# Altium PCB PCB.PcbDoc
Units mil, origin at the board's own origin, x right, y up, seen from the top; angles counter-clockwise.
Board outline 3115 x 3005 mil, 2 copper layers (Top Layer, Bottom Layer); 22 components, 19 nets, 87 pads, 0 vias.
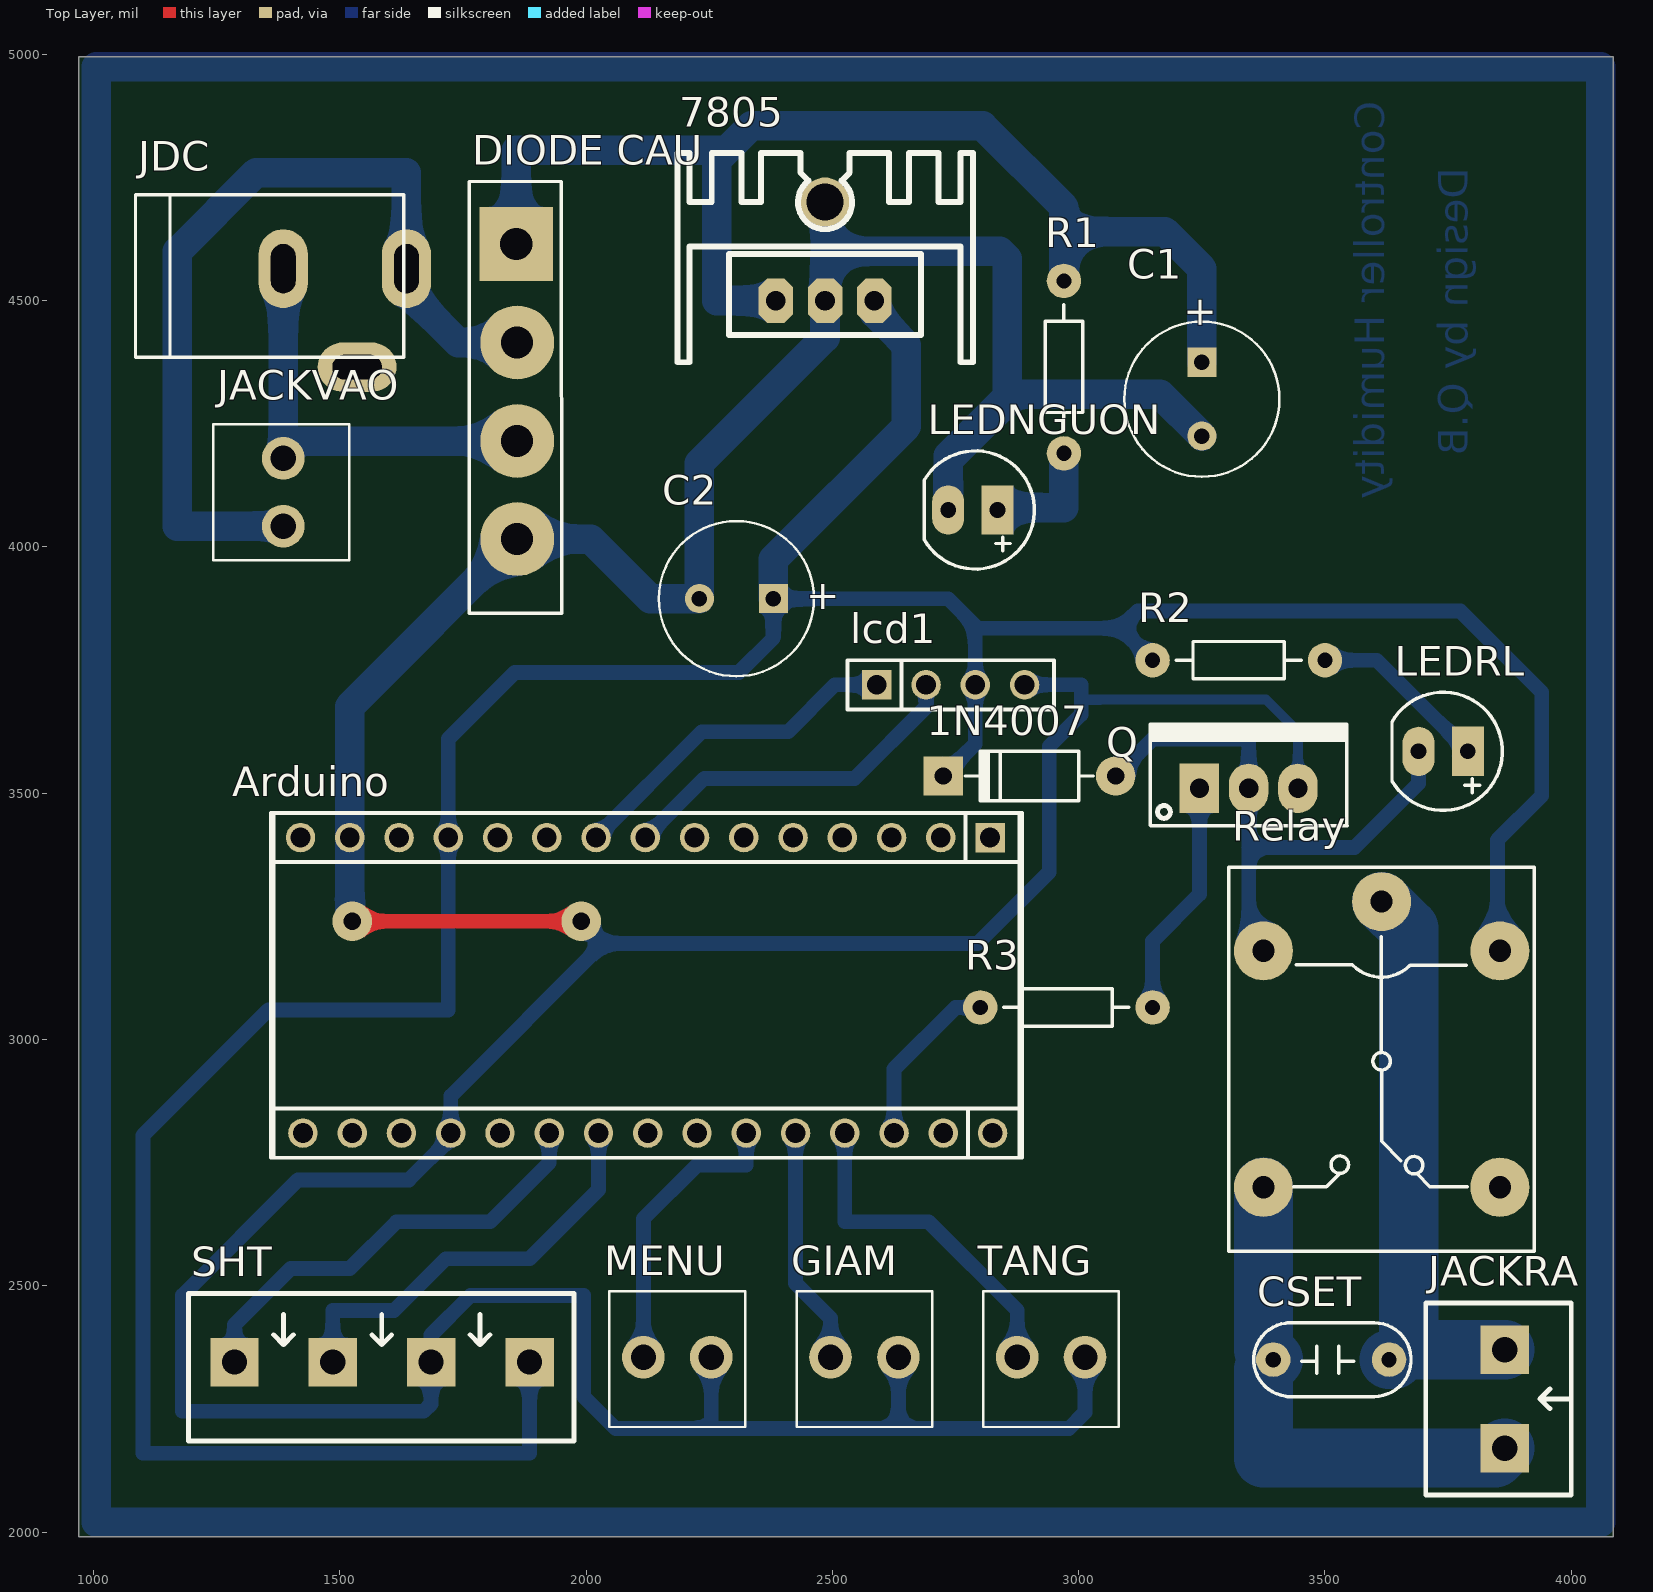
[diagram p0: Top Layer view]
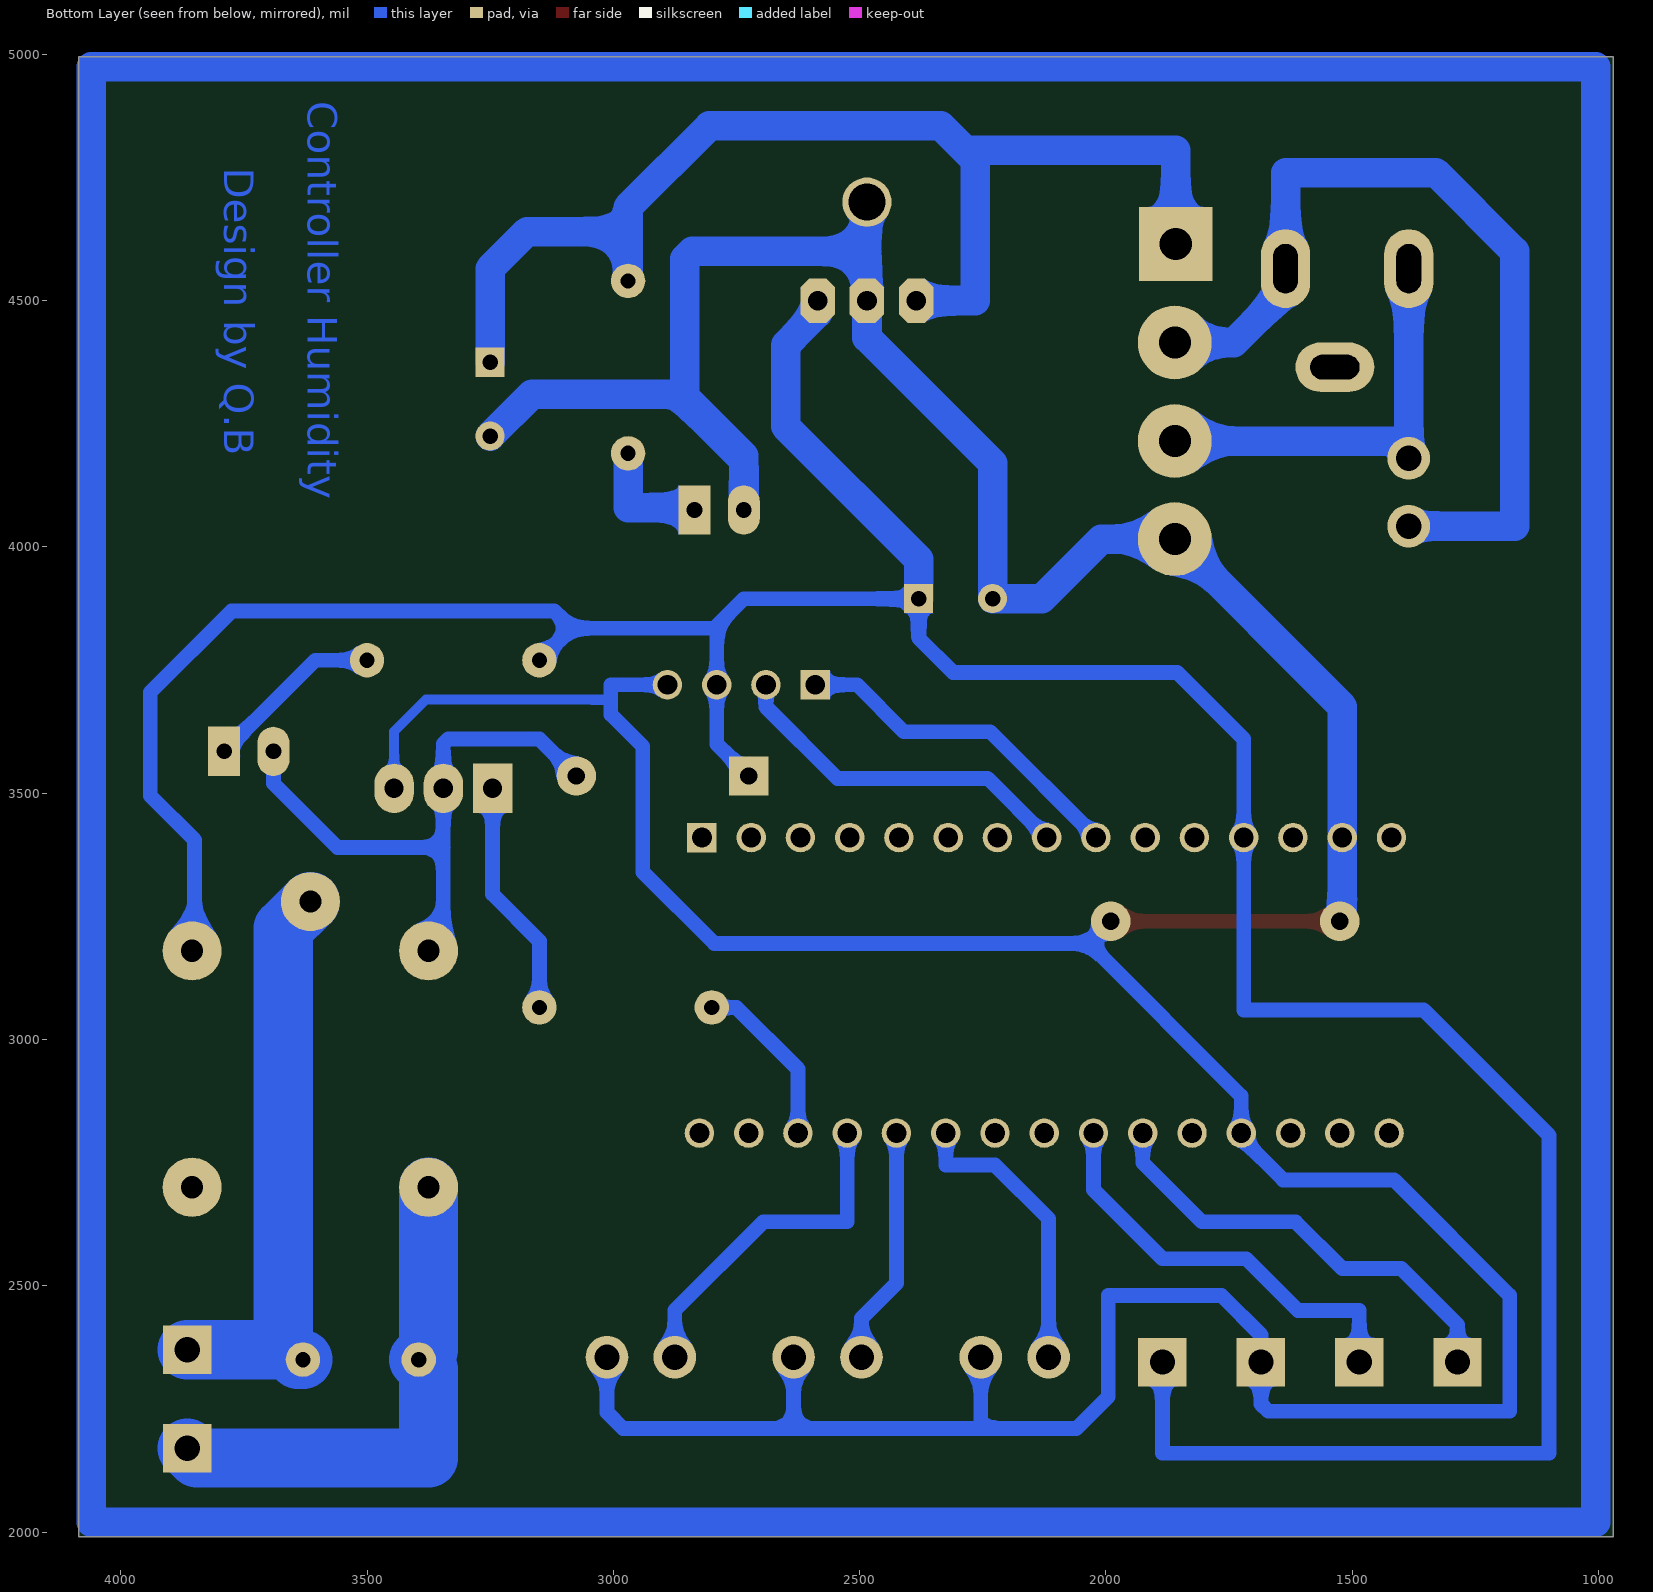
[diagram p1: Bottom Layer view, seen from below]

## Layer stack, top to bottom
Top Solder: solder mask 0.4, Solder Resist, Dk 3.5
Top Layer: signal copper 1.4
Dielectric 1: dielectric 12.6, FR-4, Dk 4.8
Bottom Layer: signal copper 1.4
Bottom Solder: solder mask 0.4, Solder Resist, Dk 3.5

## Board outline
970,4995 4085,4995 4085,1990 970,1990

## Design rules (kind name [scope] priority, off if disabled: settings)
Clearance [All] p1: gap=10 ignorepadtopadclearanceinfootprint=FALSE
PolygonConnect [All] p1: connectstyle=Relief reliefconductorwidth=10 reliefentries=4 polygonreliefangle="90 Angle" airgapwidth=10
RoutingVias [All] p1: holewidth=28 width=50 viastyle="Through Hole" minholewidth=28 minwidth=50 maxholewidth=28 maxwidth=50
SolderMaskExpansion [All] p1: expansion=4
Width [All] p1: maxlimit=120 minlimit=20 preferedwidth=30
30 further rules are at their usual default settings.

## Components (designator, comment, footprint, x,y, rotation, side; value= is the part's Value field where it differs from the comment)
1N4007 "1N4007" D1A 3075,3535 r0 top
7805 "LM7805" QTO-220H3 2385,4500 r0 top
Arduino "Arduino Nano" "Arduino Nano" 2115,3140 r90 top value="Cau 1A"
C1 "2200UF 16V" CA-ALU-8 3250,4300 r270 top value=104
C2 "2200UF 16V" CA-ALU-8 2305,3895 r180 top value=104
CSET "2KV" CN2.5 3505,2350 r0 top value=33pF
"DIODE CAU" "Diode Brideg" "DIO-Bri 5A" 1860,4615 r270 top value="Cau 1A"
GIAM "KF2" KF2-3.5 2565,2355 r0 top
JACKRA "KF2" KF2-5.08 3865,2270 r270 top
JACKVAO "KF2" KF2-3.5 1385,4111.1 r270 top
JDC "Jac DC" DC0 1510,4465 r0 top
lcd1 "JP4" JP4-C1T 2590,3720 r0 top
LEDNGUON "LED" LED-5-BLUE 2790,4075 r180 top value="LED 3 ly Single Colour"
LEDRL "LED" LED-5-RED 3790,3585 r180 top value="LED 3 ly Single Colour"
MENU "KF2" KF2-3.5 2185,2355 r0 top
Q "H1061" QTO-220 3245,3510 r0 top value=TIP41
R1 "1k2" R1/4W 2970,4190 r90 top value="R1/4W - 1K"
R2 "1K" R1/4W 3500,3770 r180 top value="R1/4W - 1K"
R3 "1k" R1/4W 2800,3065 r0 top value="R1/4W - 1K"
Relay "5V" "RELAY 5" 3615,2955 r270 top value="Relay SPDT, 10A, 12V"
SHT "KF4" KF4-5.08 1885,2345 r180 top
TANG "KF2" KF2-3.5 2943.9,2355 r0 top

## Footprints (in the part's own frame and the unit in brackets; to place one, negate y for a bottom-side part, rotate by r counter-clockwise, add the part's x,y. Pads: shape width x height; smd on the part's side, far side on the other; paste and mask are expansions set on the pad)
"Arduino Nano" [mm]
  round 1.52 hole 1.02: 3V3(6.858,-15.367) 5V(6.858,10.033) A0(6.858,-10.287) A1(6.858,-7.747) A2(6.858,-5.207) A3(6.858,-2.667) A4(6.858,-0.127) A5(6.858,2.413) A6(6.858,4.953) A7(6.858,7.493) D2(-8.382,7.366) D3(-8.382,4.826) D4(-8.382,2.286) D5(-8.382,-0.254) D6(-8.382,-2.794) D7(-8.382,-5.334) D8(-8.382,-7.874) D9(-8.382,-10.414) D10(-8.382,-12.954) D11(-8.382,-15.494) D12(-8.382,-18.034) GND(-8.382,9.906) GND(6.858,15.113) REF(6.858,-12.827) RST(-8.382,12.446) RST(6.858,12.573) RX0(-8.382,14.986) TX1(-8.382,17.526) VIN(6.858,17.653)
  rect 1.52x1.52 hole 1.02: D13(6.858,-17.907)
  silkscreen extent -9.65,-19.55 8.13,19.18, body extent -9.65,-23.48 8.14,21.44, height 21.18
CA-ALU-8 [mm] "Polarized capacitors, Aluminum Electrolytic Capacitors, 2-Leads, Body 8x16x3.5x0.5"
  rect 1.5x1.5 hole 0.8: 1(-1.905,0)
  round 1.5 hole 0.8: 2(1.905,0)
  silkscreen extent -4,-4 4,4, body extent -4.1,-4.1 4.1,4.1, height 14.4
CN2.5 [mil] "Tu pin to pin 250mil"
  round 70 hole 31: 1(-110,0) 2(125,0)
  silkscreen extent -150,-75 170,75, body extent -152,-80 162,77, height 539
D1A [mil] "Diode 1A, W 100mil, L 350mil"
  round 80 hole 35: 1(0,0)
  rect 80x80 hole 35: 2(-350,0)
  silkscreen extent -305,-50 -45,50, body extent -386,-33 34,36, height 84
DC0 [mil] "Jac DC input"
  oval 100x160 hole 50 slot 100 at 90 deg: 1(125,100) 2(-125,100)
  oval 160x100 hole 50 slot 100 at 0 deg: 3(25,-100)
  silkscreen extent -425,-80 120,250, body extent -410,-105 134,269, height 434
"DIO-Bri 5A" [mil] "Brigde 5A"
  rect 150x150 hole 65: 1(0,-2)
  round 150 hole 65: 2(200,0) 3(400,0) 4(599,0)
  silkscreen extent -127,-97 750,90, body extent -129,-90 749,58, height 937
JP4-C1T [mm] "4 row, straight, gold plating"
  rect 1.52x1.52 hole 1.02: 1(0,0)
  round 1.52 hole 1.02: 2(2.54,0) 3(5.08,0) 4(7.62,0)
  silkscreen extent -1.52,-1.27 9.14,1.27, body extent -1.52,-1.25 9.14,1.25, height 8.51
KF2-3.5 [mm] "3,50mm - modular - blue - Horizontal wire entry - Pressure clamp - 8,4mm height - 02p"
  round 2.2 hole 1.3: 1(-1.75,0) 2(1.75,0)
  silkscreen extent -3.5,-3.6 3.5,3.4, body extent -3.95,-3.6 4.05,3.4, height 8.41
KF2-5.08 [mm]
  rect 2.5x2.5 hole 1.3: 1(-2.54,0) 2(2.54,0)
  silkscreen extent -4.95,-4.08 4.95,3.43, body extent -5,-4.07 5,3.43, height 10
KF4-5.08 [mm]
  rect 2.5x2.5 hole 1.3: 1(0,0) 2(5.08,0) 3(10.147,0) 4(15.215,0)
  silkscreen extent -2.29,-3.53 17.58,4.06, body extent -2.36,-3.43 17.64,4.07, height 10
LED-5-BLUE [mil] "LED 2 PIN, 5 ly , Only colour, pin to pin 110mil"
  rect 65x100 hole 32: 1(-45,0)
  oval 65x100 hole 32: 2(55,0)
  silkscreen extent -120,-120 104,120, body extent -113,-120 100,117, height 339
LED-5-RED [mil] "LED 2 PIN, 5 ly , Only colour,pin to pin 100mil"
  rect 65x100 hole 32: 1(0,0)
  oval 65x100 hole 32: 2(100,0)
  silkscreen extent -70,-120 154,120, body extent -65,-119 149,118, height 339
QTO-220 [mil] "TO-220 - 1-2-3"
  rect 80x100 hole 39: 1(0,0)
  oval 80x100 hole 39: 2(100,0) 3(200,0)
  silkscreen extent -100,-76 300,130, body extent -119,-64 322,121, height 755
QTO-220H3 [mil] "TO-220 1-2-3"
  oct 70x90 hole 40: 1(0,0) 2(100,0) 3(200,0)
  round 100 hole 75: 2(100,200)
  silkscreen extent -200,-125 400,300, body extent -190,-102 392,323, height 984
R1/4W [mil] "R 1/4W, 2 Pin, 350mil"
  round 70 hole 31: 1(0,0) 2(350,0)
  silkscreen extent 48,-38 302,38, body extent -40,-47 386,47, height 111
"RELAY 5" [mil] "Reley DPDT, 8 pin, 1A, W400mil, L800mil,H 300mil"
  round 120 hole 45: 1(-325,0) 2(255,240) 3(255,-240) 4(-225,-240) 5(-225,240)
  silkscreen extent -395,-310 385,310, body extent -371,-304 381,306, height 602

## Part data
1N4007: library part D1A, "Diode 1A"
7805: "TO-220", Text Field1=70, Text Field2=30
Arduino: "Arduino NANO", ="Cau 5A"
C1 C2: library part CN-ALU-DIP, "Capacitor (Semiconductor SIM Model)", LatestRevisionDate=17-Jul-2002, LatestRevisionNote="Re-released for DXP Platform.", PackageReference=C1206, Publisher="Altium Limited"
CSET: library part CN
"DIODE CAU": library part "DIODE BRIGDE", "Convert AC to DC voltage, 4 pin", ="Cau 5A"
GIAM JACKRA JACKVAO MENU TANG: Manufacturer="Würth Elektronik eiSos GmbH", partNo=691103110002, ComponentLink1 Description=Manufacturer, ComponentLink1URL=http://www.we-online.com, ComponentLink2 Description=Datasheet, ComponentLink2URL=http://katalog.we-online.de/em/datasheet/6911031100xx.pdf, Created by="Karrer Zheng", Created Date="29 October 2013", NoPins=2
JDC: library part DCIN, "Jac DC input"
lcd1: "WR-PHD 2.54 mm Angled Socket Header", Manufacturer="W¨¹rth Elektronik eiSos GmbH", partNo=613004143121, ComponentLink1 Description=Manufacturer, ComponentLink1URL=http://www.we-online.com, ComponentLink2 Description=Datasheet, ComponentLink2URL=http://katalog.we-online.de/em/datasheet/6130xx143121.pdf, Created by="Karrer Zheng", Created Date="29 March 2013", NoPins=04
LEDNGUON LEDRL: "LED Single colour Green and Red"
Q: library part NPN_BCE, "P 1W, BCE", =H1061
R1 R2 R3: library part R1/4W, "Resistor 1/4W"
Relay: library part "Relay 5", "Relay SPDT,10A - 12VDC 5 Pin", ="Relay SPDT, 10A, 24V"
SHT: Manufacturer="W¨¹rth Elektronik eiSos GmbH", partNo=691133710004, ComponentLink1 Description=Manufacturer, ComponentLink1 URL=http://www.we-online.com, ComponentLink2 Description=Datasheet, ComponentLink2 URL=http://katalog.we-online.de/em/datasheet/6911337100xx.pdf, Created by="Baojun Chen", Created Date=4-Aug-15, NoPins=4

## Free pads (board coordinates)
  round 80 hole 35: E(1525,3240) E(1990,3240)

## Nets (pads, with @x,y where several pads share a name; then routed paths per layer and width w, separated by ;. In a path a pad name is that pad's centre, name@x,y a point inside that pad or via, vN(x,y) a via of type N, cw(c..) or ccw(c..) an arc to the next point about the centre after c; other vN are vias at no path point)
5v: 1N4007.2 7805.3 Arduino.5V C2.1 lcd1.3 R2.2 Relay.5 SHT.1 | length 7139.3
  Bottom Layer w30: SHT.1@1885,2355 SHT.1 1885,2160 1100,2160 1100,2805 1355,3060 1720,3060 Arduino.5V 1720,3610 1855,3745 2310,3745 2380,3815 C2.1 2735,3895 2790,3840 ; 1N4007.2 2790,3600 lcd1.3 2790,3840 ; R2.2 3085,3835 ; Relay.5 3850,3185 3850,3405 3940,3495 3940,3705 3775,3870 3120,3870 3085,3835 ; 2790,3840 2795,3835 3085,3835
  Bottom Layer w60: SHT.1@1875,2345 SHT.1@1885,2355 ; C2.1 2380,3975 2650,4245 2650,4410 2585,4475 7805.3
B: Q.1 R3.2 | length 484.4
  Bottom Layer w30: R3.2 3150,3200 3245,3295 Q.1
C: 1N4007.1 LEDRL.2 Q.2 Relay.4 | length 1201.5
  Bottom Layer w30: 1N4007.1 3150,3610 3335,3610 3345,3600 Q.2 3345,3390 ; Relay.4 3345,3210 3345,3390 ; LEDRL.2 3690,3520 3560,3390 3345,3390
E: 7805.2 "DIODE CAU.4" Arduino.GND C1.2 C2.2 GIAM.2 lcd1.4 LEDNGUON.2 MENU.2 pad.E Q.3 SHT.2 TANG.2 | length 10539.1
  Top Layer w30: pad.E@1525,3240 pad.E@1990,3240
  Bottom Layer w20: 3005,3690 3380,3690 3445,3625 Q.3
  Bottom Layer w30: Arduino.GND@1710,2805 1715,2810 Arduino.GND@1715,2815 ; pad.E@1990,3240 2035,3195 ; MENU.2 2253.9,2223.9 2240,2210 ; GIAM.2 2633.9,2210 ; 2750,4170 2890,4310 ; lcd1.4 3005,3720 3005,3690 3005,3660 2940,3595 2940,3340 2795,3195 2035,3195 ; TANG.2 3012.8,2242.8 2980,2210 2633.9,2210 ; Q.3 Q.3@3450,3515 ; 2035,3195 1725,2885 1725,2810 1725,2800 1640,2715 1415,2715 1180,2480 1180,2245 1670,2245 1685,2260 SHT.2 1685,2400 1765,2480 1995,2480 1995,2275 2060,2210 2240,2210 ; 2240,2210 2633.9,2210
  Bottom Layer w60: pad.E@1525,3240 1520,3245 1520,3410 1520,3676 1860,4016 2009,4016 2130,3895 C2.2 2230,4170 2485,4425 2485,4500 2485,4600 ; 7805.2@2485,4700 2485,4600 ; LEDNGUON.2 2735,4185 2855,4305 2860,4305 2855,4310 ; C1.2 3165,4310 2890,4310 2855,4310 ; 2485,4600 2840,4600 2855,4585 2855,4310
giam: Arduino.D8 GIAM.1 | length 484.5
  Bottom Layer w30: Arduino.D8 2425,2505 2496.1,2433.9 GIAM.1
menu: Arduino.D7 MENU.1 | length 600.1
  Bottom Layer w30: MENU.1 2116.1,2636.1 2225,2745 2325,2745 Arduino.D7
Net7805_1: 7805.1 "DIODE CAU.1" C1.1 R1.2 | length 2475.4
  Bottom Layer w60: 1858,4615 1858,4805 2285,4805 ; 7805.1 2265,4500 2265,4785 2285,4805 ; R1.2 2970,4640 ; C1.1 3250,4565 3175,4640 2970,4640 ; 2285,4805 2335,4855 2805,4855 2970,4690 2970,4640
NetCSET_1: CSET.1 JACKRA.2 Relay.3 | length 1064.9
  Bottom Layer w120: Relay.3 3375,2370 CSET.1 3375,2330 3375,2150 3845,2150 JACKRA.2
NetCSET_2: CSET.2 JACKRA.1 Relay.1 | length 1174.4
  Bottom Layer w120: Relay.1 3670,3225 3670,2380 ; CSET.2 3640,2350 3670,2380 ; JACKRA.1 3680,2370 3670,2380
"NetDIODE CAU_2": "DIODE CAU.2" JACKVAO.2 JDC.1 | length 1812.6
  Bottom Layer w60: JACKVAO.2 1170,4042.2 1170,4600 1330,4760 1635,4760 JDC.1 1635,4520 1740,4415 1860,4415
"NetDIODE CAU_3": "DIODE CAU.3" JACKVAO.1 JDC.2 | length 874.5
  Bottom Layer w60: JDC.2 JACKVAO.1 1420,4215 1860,4215
NetLEDNGUON_1: LEDNGUON.1 R1.1 | length 247.1
  Bottom Layer w60: LEDNGUON.1 2840,4080 2970,4080 R1.1
NetLEDRL_1: LEDRL.1 R2.1 | length 366.6
  Bottom Layer w30: R2.1 3605,3770 LEDRL.1
relay: Arduino.D10 R3.1 | length 356.8
  Bottom Layer w30: Arduino.D10 2625,2940 2750,3065 R3.1
SCL: Arduino.A5 lcd1.1 | length 698.4
  Bottom Layer w30: Arduino.A5 2235,3625 2410,3625 2505,3720 lcd1.1
SDA: Arduino.A4 lcd1.2 | length 724.8
  Bottom Layer w30: Arduino.A4 2240,3530 2545,3530 2690,3675 lcd1.2
tang: Arduino.D9 TANG.1 | length 699.6
  Bottom Layer w30: Arduino.D9 2525,2630 2695,2630 2875,2450 TANG.1
vang: Arduino.D3 SHT.4 | length 908.3
  Bottom Layer w30: SHT.4@1286,2355 1286,2421 1400,2535 1520,2535 1615,2630 1805,2630 1925,2750 Arduino.D3 Arduino.D3@1930,2805
xanh: Arduino.D4 SHT.3 | length 851
  Bottom Layer w30: SHT.3@1485.5,2355 1485.5,2450 1610,2450 1715,2555 1885,2555 2025,2695 Arduino.D4
pads on no net: Arduino.3V3 Arduino.A0 Arduino.A1 Arduino.A2 Arduino.A3 Arduino.A6 Arduino.A7 Arduino.D2 Arduino.D5 Arduino.D6 Arduino.D11 Arduino.D12 Arduino.D13 Arduino.REF Arduino.RST Arduino.RX0 Arduino.TX1 Arduino.VIN JDC.3 Relay.2
copper on no net: | length 12022.1
  Bottom Layer w60: 1005,4970 1010,4975 4060,4975 4060,2020 1005,2020 1005,4975

## Other copper
Bottom Layer:
  text "Controller Humidity" at 3620,4905 h60 r90
  text "Design by Q.B" at 3790,4770 h60 r90

## Text inside footprints (layer, text, board x,y; h text height)
C1: Top Overlay "+" at 3220.98,4509.65 h59.06 r270
C2: Top Overlay "+" at 2514.65,3924.02 h59.06 r180